# Altium PCB BEE_BOARD_PCB ASCII REV Project_PCB_Rev.Project_SCH_Rev.PcbDoc (part 1 of 3) (continued)
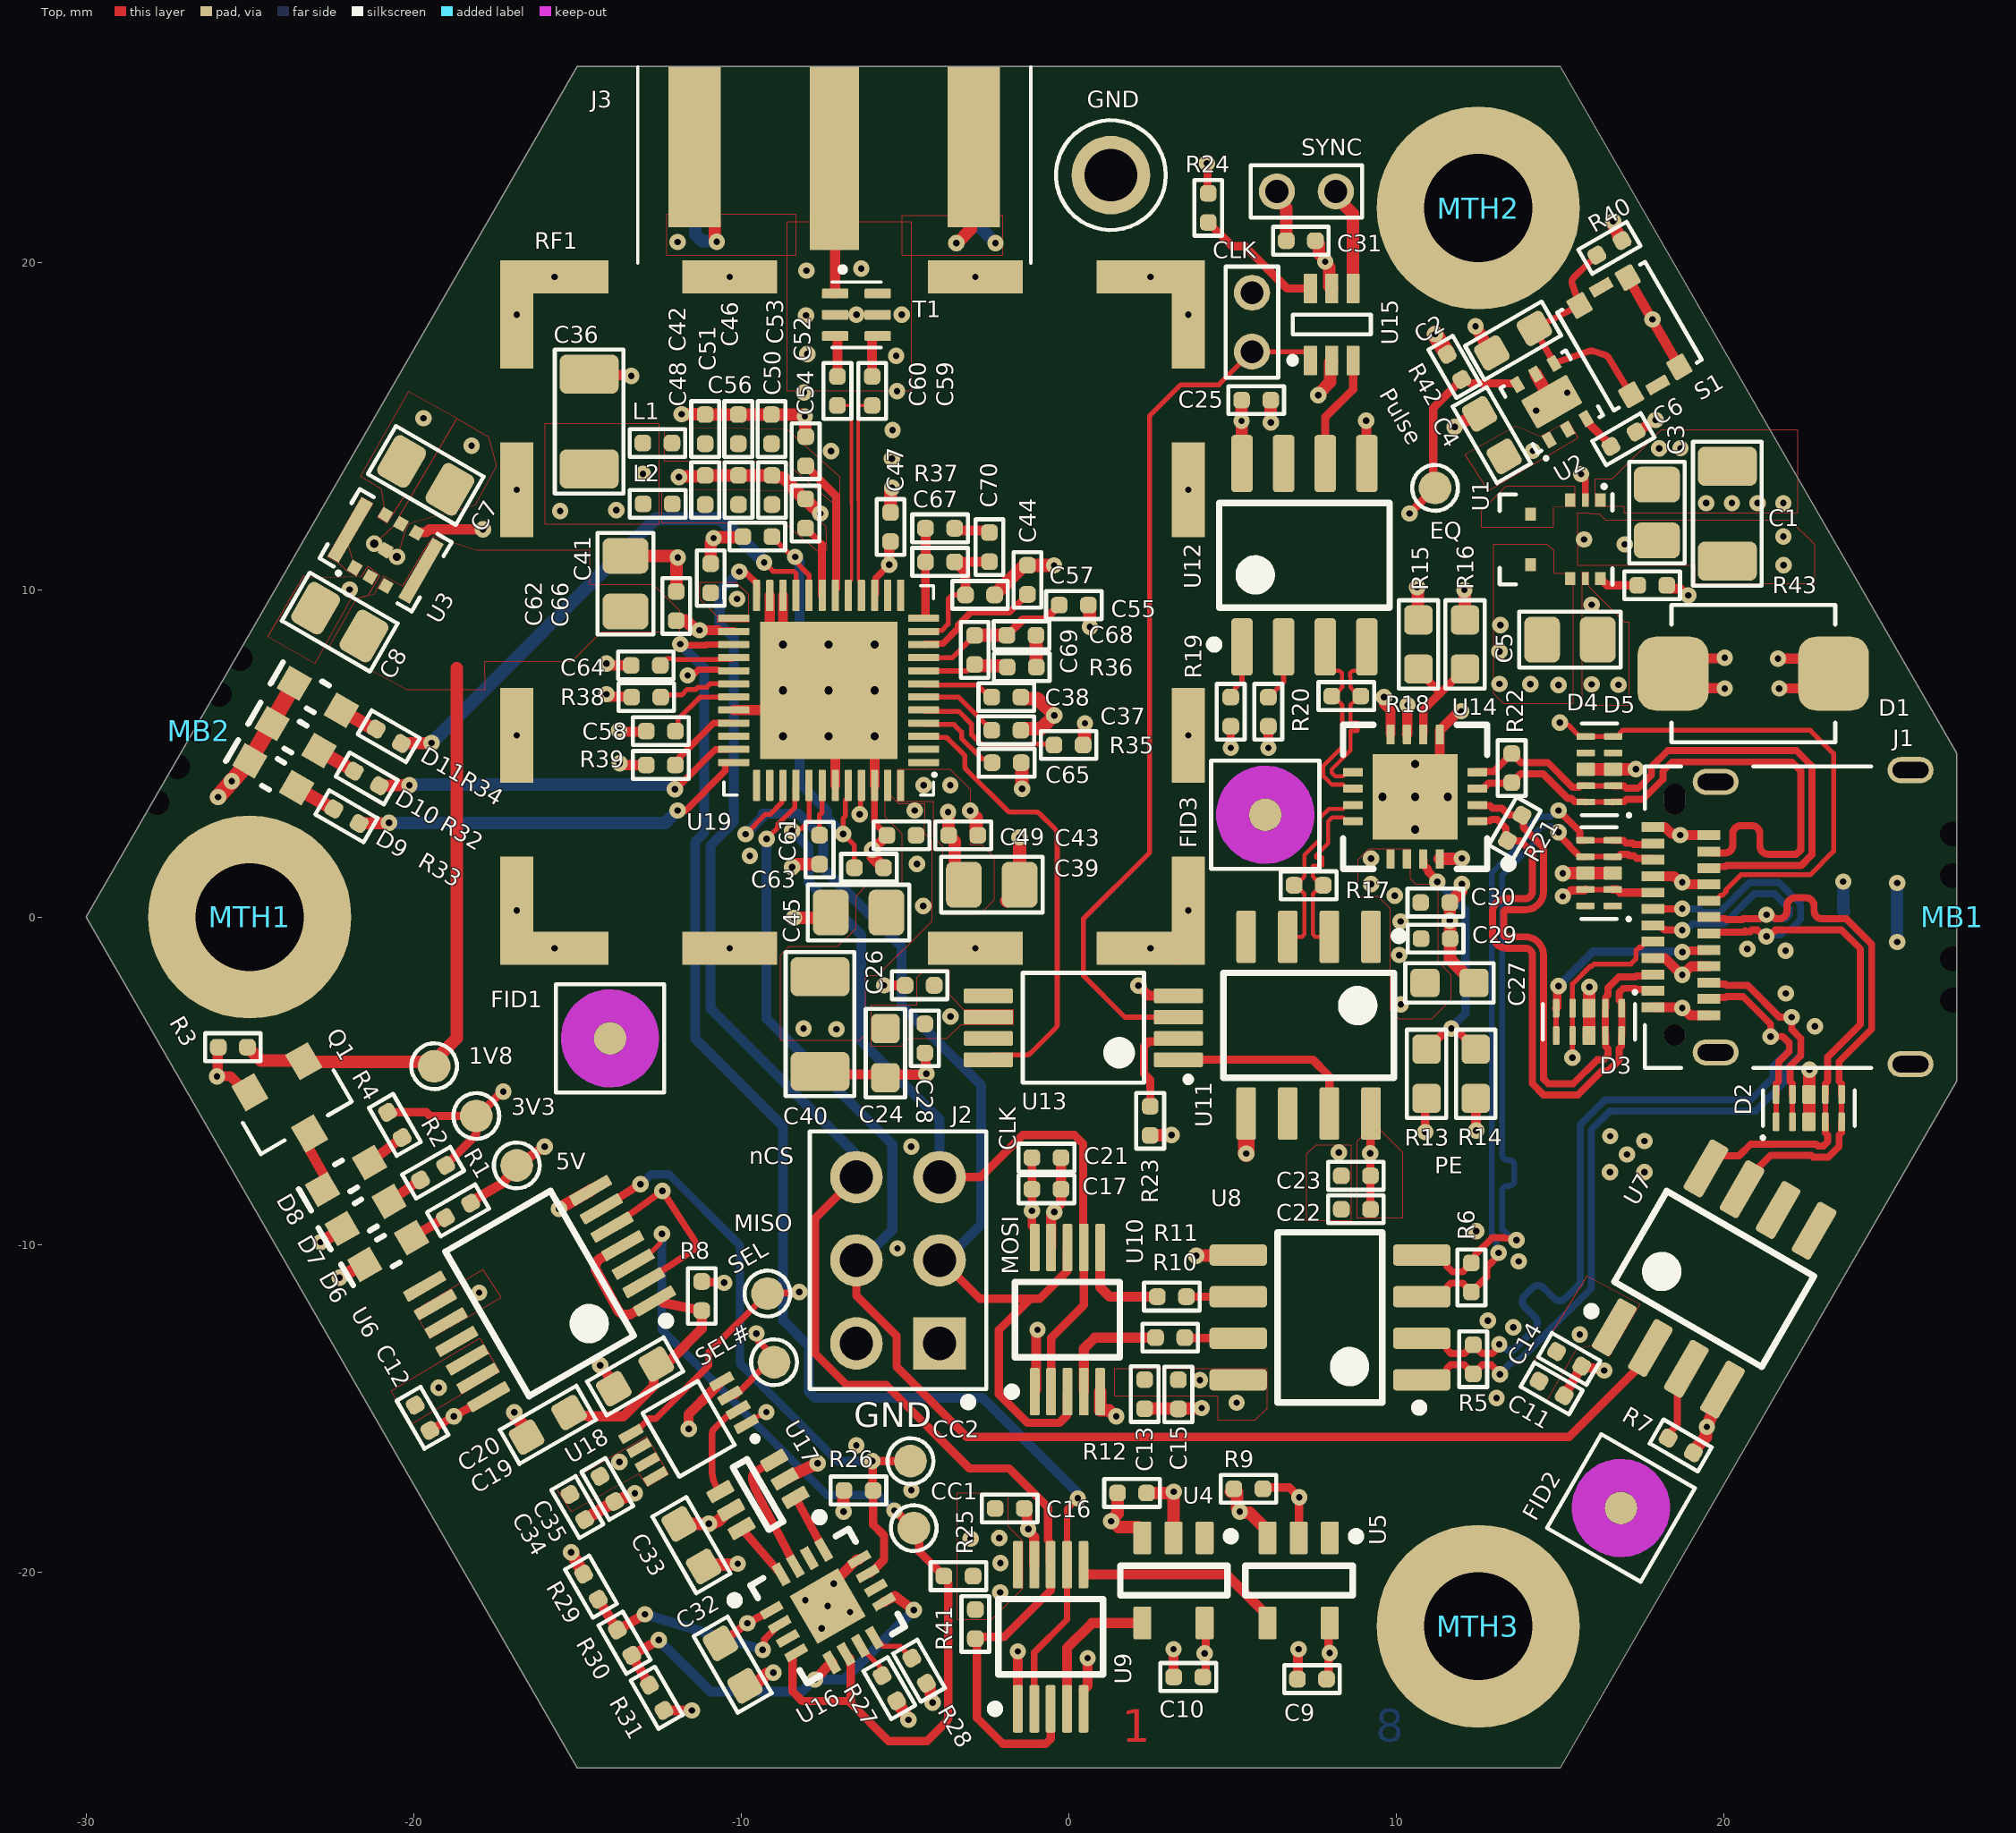
[diagram p0: Top view]
## Design rules (kind name [scope] priority, off if disabled: settings) (continued)
Clearance Clearance_VIA_SAME [IsVia and (NOT InAnyComponent) vs IsVia and (NOT InAnyComponent)] p3: gap=0.132 ignorepadtopadclearanceinfootprint=FALSE
Clearance Clearance_VIA [IsVia AND (InAnyComponent) vs IsVia AND (InAnyComponent)] p4: gap=0.31 ignorepadtopadclearanceinfootprint=FALSE
Clearance Clearance_GEN [All] p5: gap=0.102 ignorepadtopadclearanceinfootprint=FALSE
ComponentClearance "Schematic Component Clearance Constraint_3" [All] p0: scope1count=1 scope1_0_kind=Component scope1_0_value=MB1 scope2count=1 scope2_0_kind=Board scope2_0_value=Board commentlength=0 gap=0 collisioncheckmode=3
ComponentClearance [All] p0: scope1count=1 scope1_0_kind=Board scope1_0_value=Board scope2count=1 scope2_0_kind=Board scope2_0_value=Board commentlength=0 gap=0.102 collisioncheckmode=3
ComponentClearance "Schematic Component Clearance Constraint_3" [InComponent('MB1')] p1: gap=0 collisioncheckmode=3 verticalgap=0 showdistances=FALSE
ComponentClearance [All] p2: gap=0.102 collisioncheckmode=3 verticalgap=0.102 showdistances=FALSE
DiffPairsRouting DIFF_85_OHM [All] p0 off: scope1count=1 scope1_0_kind=Board scope1_0_value=Board scope2count=1 scope2_0_kind=Board scope2_0_value=Board commentlength=73 // Protel DXP Scope 1 Expression Was: InDifferentialPairClass('DIFF_85')
DiffPairsRouting DIFF_90_OHM [All] p0 off: scope1count=1 scope1_0_kind=Board scope1_0_value=Board scope2count=1 scope2_0_kind=Board scope2_0_value=Board commentlength=73 // Protel DXP Scope 1 Expression Was: InDifferentialPairClass('DIFF_90')
DiffPairsRouting DIFF_100_OHM [All] p0 off: scope1count=1 scope1_0_kind=Board scope1_0_value=Board scope2count=1 scope2_0_kind=Board scope2_0_value=Board commentlength=74 // Protel DXP Scope 1 Expression Was: InDifferentialPairClass('DIFF_100')
DiffPairsRouting DIFF_100_OHM [InDifferentialPairClass('DIFF_100')] p1: maxlimit=0.203 minlimit=0.127 mostfreqgap=0.203 toplayer_maxgap=0.127 toplayer_prefgap=0.127 toplayer_minwidth=0.127 toplayer_maxwidth=0.127 toplayer_prefwidth=0.127 midlayer1_mingap=0.203 midlayer1_minwidth=0.102 midlayer1_maxwidth=0.102 midlayer1_prefwidth=0.102 midlayer2_mingap=0.203 midlayer2_minwidth=0.102 midlayer2_maxwidth=0.102 midlayer2_prefwidth=0.102 bottomlayer_maxgap=0.127 bottomlayer_prefgap=0.127 bottomlayer_minwidth=0.127 bottomlayer_maxwidth=0.127 bottomlayer_prefwidth=0.127 maxuncoupledlength=12.7
DiffPairsRouting DIFF_90_OHM [InDifferentialPairClass('DIFF_90')] p2: maxlimit=0.178 minlimit=0.127 mostfreqgap=0.178 toplayer_maxgap=0.127 toplayer_prefgap=0.127 toplayer_minwidth=0.191 toplayer_maxwidth=0.191 toplayer_prefwidth=0.191 midlayer1_mingap=0.178 midlayer1_minwidth=0.127 midlayer1_maxwidth=0.127 midlayer1_prefwidth=0.127 midlayer2_mingap=0.178 midlayer2_minwidth=0.127 midlayer2_maxwidth=0.127 midlayer2_prefwidth=0.127 bottomlayer_maxgap=0.127 bottomlayer_prefgap=0.127 bottomlayer_minwidth=0.191 bottomlayer_maxwidth=0.191 bottomlayer_prefwidth=0.191 maxuncoupledlength=12.7
DiffPairsRouting DIFF_85_OHM [InDifferentialPairClass('DIFF_85')] p3: maxlimit=0.14 minlimit=0.127 mostfreqgap=0.14 toplayer_maxgap=0.127 toplayer_prefgap=0.127 toplayer_minwidth=0.216 toplayer_maxwidth=0.216 toplayer_prefwidth=0.216 midlayer1_mingap=0.14 midlayer1_minwidth=0.127 midlayer1_maxwidth=0.127 midlayer1_prefwidth=0.127 midlayer2_mingap=0.14 midlayer2_minwidth=0.127 midlayer2_maxwidth=0.127 midlayer2_prefwidth=0.127 bottomlayer_maxgap=0.127 bottomlayer_prefgap=0.127 bottomlayer_minwidth=0.216 bottomlayer_maxwidth=0.216 bottomlayer_prefwidth=0.216 maxuncoupledlength=12.7
FabricationTestPointUsage [All] p0: scope1count=1 scope1_0_kind=Board scope1_0_value=Board scope2count=1 scope2_0_kind=Board scope2_0_value=Board commentlength=0 valid=0 allowmultiple=FALSE
FabricationTestpoint [All] p0: scope1count=1 scope1_0_kind=Board scope1_0_value=Board scope2count=1 scope2_0_kind=Board scope2_0_value=Board commentlength=0 side=3 testpointundercomponent=TRUE minsize=1.016 maxsize=2.54 preferedsize=1.524 minholesize=0 maxholesize=1.016 preferedholesize=0.813 testpointgrid=0.025
FanoutControl Fanout_Default [All] p0: scope1count=1 scope1_0_kind=Board scope1_0_value=Board scope2count=1 scope2_0_kind=Board scope2_0_value=Board commentlength=30 // Fanout_Default (Default Rule)
FanoutControl Fanout_Small [All] p0 off: scope1count=1 scope1_0_kind=Board scope1_0_value=Board scope2count=1 scope2_0_kind=Board scope2_0_value=Board commentlength=84 // Protel DXP Scope 1 Expression Was: (CompPinCount < 5)   Fanout_Small (Default Rule)
FanoutControl Fanout_SOIC [All] p0 off: scope1count=1 scope1_0_kind=Board scope1_0_value=Board scope2count=1 scope2_0_kind=Board scope2_0_value=Board commentlength=71 // Protel DXP Scope 1 Expression Was: IsSOIC   Fanout_SOIC (Default Rule)
FanoutControl Fanout_LCC [All] p0 off: scope1count=1 scope1_0_kind=Board scope1_0_value=Board scope2count=1 scope2_0_kind=Board scope2_0_value=Board commentlength=69 // Protel DXP Scope 1 Expression Was: IsLCC   Fanout_LCC (Default Rule)
FanoutControl Fanout_BGA [All] p0 off: scope1count=1 scope1_0_kind=Board scope1_0_value=Board scope2count=1 scope2_0_kind=Board scope2_0_value=Board commentlength=69 // Protel DXP Scope 1 Expression Was: IsBGA   Fanout_BGA (Default Rule)
Height [All] p0: scope1count=1 scope1_0_kind=Board scope1_0_value=Board scope2count=1 scope2_0_kind=Board scope2_0_value=Board commentlength=0
HoleSize [All] p0: scope1count=1 scope1_0_kind=Board scope1_0_value=Board scope2count=1 scope2_0_kind=Board scope2_0_value=Board commentlength=0 absolutevalues=TRUE maxlimit=6.5 minlimit=0.2 maxpercent=80.000 minpercent=20.000
HoleSize [All] p1: absolutevalues=TRUE maxlimit=6.5 minlimit=0.2 maxpercent=80.000 minpercent=20.000
HoleToHoleClearance HoleToHoleClearance_Via [All] p0: scope1count=1 scope1_0_kind=Board scope1_0_value=Board scope2count=1 scope2_0_kind=Board scope2_0_value=Board commentlength=0
HoleToHoleClearance HoleToHoleClearance_Via [All] p1: gap=0.203 allowstackedmicrovias=TRUE
LayerPairs [All] p0: scope1count=1 scope1_0_kind=Board scope1_0_value=Board scope2count=1 scope2_0_kind=Board scope2_0_value=Board commentlength=0 enforce=TRUE
MatchedLengths [All] p0: scope1count=1 scope1_0_kind=NetClass scope1_0_value=TX scope2count=1 scope2_0_kind=Board scope2_0_value=Board commentlength=0 tolerance=0.025 amplitude=5.08 gap=0.508 style=90-Degree
MatchedLengths DiffMatching_WithinPair [All] p0 off: scope1count=1 scope1_0_kind=Board scope1_0_value=Board scope2count=1 scope2_0_kind=Board scope2_0_value=Board commentlength=88 tolerance=0.025 amplitude=5.08 gap=0.508 style=90-Degree // Protel DXP Scope 1 Expression Was: InDifferentialPairClass('All Differential Pairs')
MatchedLengths [InNetClass('TX')] p1: tolerance=0.025 checknetsindiffpair=FALSE checkdiffpairvsdiffpair=TRUE checkxsignals=TRUE checkothers=TRUE
MatchedLengths DiffMatching_WithinPair [InDifferentialPairClass('All Differential Pairs')] p2: tolerance=0.025 checknetsindiffpair=TRUE checkdiffpairvsdiffpair=FALSE checkxsignals=FALSE checkothers=FALSE
MinimumAnnularRing [All] p0: scope1count=1 scope1_0_kind=Board scope1_0_value=Board scope2count=1 scope2_0_kind=Board scope2_0_value=Board commentlength=0 minimumring=0.1
MinimumAnnularRing [All] p1: minimumring=0.1
MinimumSolderMaskSliver [All] p0: scope1count=1 scope1_0_kind=Board scope1_0_value=Board scope2count=1 scope2_0_kind=Board scope2_0_value=Board commentlength=0
MinimumSolderMaskSliver [All] p1: minsoldermaskwidth=0.1
NetAntennae [All] p0: scope1count=1 scope1_0_kind=Board scope1_0_value=Board scope2count=1 scope2_0_kind=Board scope2_0_value=Board commentlength=0
PasteMaskExpansion [All] p0: scope1count=1 scope1_0_kind=Board scope1_0_value=Board scope2count=1 scope2_0_kind=Board scope2_0_value=Board commentlength=0 expansion=-0.025
PasteMaskExpansion [All] p1: expansion=-0.025
PlaneClearance "Schematic Power Plane Clearance_3" [All] p0: scope1count=1 scope1_0_kind=Component scope1_0_value=MB1 scope2count=1 scope2_0_kind=Board scope2_0_value=Board commentlength=0 clearance=0.508
PlaneClearance [All] p0: scope1count=1 scope1_0_kind=Board scope1_0_value=Board scope2count=1 scope2_0_kind=Board scope2_0_value=Board commentlength=0 clearance=0.152
PlaneClearance "Schematic Power Plane Clearance_3" [InComponent('MB1')] p1: clearance=0.508
PlaneClearance [All] p2: clearance=0.152
PlaneConnect [All] p0: scope1count=1 scope1_0_kind=Board scope1_0_value=Board scope2count=1 scope2_0_kind=Board scope2_0_value=Board commentlength=0 planeconnectstyle=Relief reliefexpansion=0.508 reliefentries=4 reliefconductorwidth=0.254 reliefairgap=0.254
PlaneConnect [All] p1: pad.planeconnectstyle=Relief pad.reliefexpansion=0.508 pad.reliefentries=4 pad.reliefconductorwidth=0.254 pad.reliefairgap=0.254 via.planeconnectstyle=Direct via.reliefexpansion=0.508 via.reliefentries=4 via.reliefconductorwidth=0.254 via.reliefairgap=0.254
PolygonConnect [All] p0: scope1count=1 scope1_0_kind=Board scope1_0_value=Board scope2count=1 scope2_0_kind=Board scope2_0_value=Board commentlength=0 connectstyle=Relief reliefconductorwidth=0.254 reliefentries=4 polygonreliefangle="90 Angle"
PolygonConnect [All] p1: thpad.connectstyle=Relief thpad.reliefconductorwidth=0.254 thpad.reliefentries=4 thpad.polygonreliefangle="90 Angle" thpad.airgapwidth=0.254 smdpad.connectstyle=Direct smdpad.reliefconductorwidth=0.254 smdpad.reliefentries=4 smdpad.polygonreliefangle="90 Angle" smdpad.airgapwidth=0.254 via.connectstyle=Direct via.reliefconductorwidth=0.254 via.reliefentries=4 via.polygonreliefangle="90 Angle" via.airgapwidth=0.254
RoutingCorners [All] p0: scope1count=1 scope1_0_kind=Board scope1_0_value=Board scope2count=1 scope2_0_kind=Board scope2_0_value=Board commentlength=0 cornerstyle=45-Degree minsetback=2.54 maxsetback=2.54
RoutingLayers [All] p0: scope1count=1 scope1_0_kind=Board scope1_0_value=Board scope2count=1 scope2_0_kind=Board scope2_0_value=Board commentlength=0 top layer=Automatic mid layer 1=Automatic mid layer 2=Automatic bottom layer=Automatic
RoutingPriority [All] p0: scope1count=1 scope1_0_kind=Board scope1_0_value=Board scope2count=1 scope2_0_kind=Board scope2_0_value=Board commentlength=0
RoutingTopology [All] p0: scope1count=1 scope1_0_kind=Board scope1_0_value=Board scope2count=1 scope2_0_kind=Board scope2_0_value=Board commentlength=0 topology=Shortest
RoutingVias [All] p0: scope1count=1 scope1_0_kind=Board scope1_0_value=Board scope2count=1 scope2_0_kind=Board scope2_0_value=Board commentlength=0 holewidth=0.25 width=0.55 viastyle="Through Hole" minholewidth=0.2 minwidth=0.5 maxholewidth=6.5 maxwidth=7.5
RoutingVias [All] p1: holewidth=0.25 width=0.55 viastyle="Through Hole" minholewidth=0.2 minwidth=0.5 maxholewidth=6.5 maxwidth=7.5
ShortCircuit [All] p0: scope1count=1 scope1_0_kind=Board scope1_0_value=Board scope2count=1 scope2_0_kind=Board scope2_0_value=Board commentlength=0 allowed=FALSE
SilkToBoardRegionClearance [All] p0: scope1count=1 scope1_0_kind=Board scope1_0_value=Board scope2count=1 scope2_0_kind=Board scope2_0_value=Board commentlength=0
SilkToSilkClearance [All] p0: scope1count=1 scope1_0_kind=Board scope1_0_value=Board scope2count=1 scope2_0_kind=Board scope2_0_value=Board commentlength=0
SilkToSilkClearance [All] p1: silktosilkclearance=0.025
SilkToSolderMaskClearance [All] p0 off: scope1count=1 scope1_0_kind=Board scope1_0_value=Board scope2count=1 scope2_0_kind=Board scope2_0_value=Board commentlength=44 // Protel DXP Scope 1 Expression Was: IsPad
SilkToSolderMaskClearance [IsPad] p1: minsilkscreentomaskgap=0.025 clearancetoexposedcopper=FALSE
SolderMaskExpansion [All] p0: scope1count=1 scope1_0_kind=Board scope1_0_value=Board scope2count=1 scope2_0_kind=Board scope2_0_value=Board commentlength=0 expansion=0.07
SolderMaskExpansion [All] p1: expansion=0.07 istentingtop=FALSE
UnRoutedNet [All] p0: scope1count=1 scope1_0_kind=Board scope1_0_value=Board scope2count=1 scope2_0_kind=Board scope2_0_value=Board commentlength=0
UnRoutedNet [All] p1: checkbadconnections=TRUE
UnpouredPolygon [All] p0: scope1count=1 scope1_0_kind=Board scope1_0_value=Board scope2count=1 scope2_0_kind=Board scope2_0_value=Board commentlength=0
Width [All] p0: scope1count=1 scope1_0_kind=Board scope1_0_value=Board scope2count=1 scope2_0_kind=Board scope2_0_value=Board commentlength=0 maxlimit=2.54 minlimit=0.102 preferedwidth=0.305
Width Width_50_OHM [All] p0: scope1count=1 scope1_0_kind=NetClass scope1_0_value=SE_50OHM scope2count=1 scope2_0_kind=Board scope2_0_value=Board commentlength=0 maxlimit=0.305 minlimit=0.152 preferedwidth=0.305
Width Width_50_OHM [InNetClass('SE_50OHM')] p1: maxlimit=0.305 minlimit=0.152 preferedwidth=0.305 toplayer_minwidth=0.305 midlayer1_maxwidth=0.152 midlayer1_prefwidth=0.152 midlayer2_maxwidth=0.152 midlayer2_prefwidth=0.152 bottomlayer_minwidth=0.305 minimp=50.000000 maximp=50.000000 favimp=50.000000
Width [All] p2: maxlimit=2.54 minlimit=0.102 preferedwidth=0.305 minimp=50.000000 maximp=50.000000 favimp=50.000000
19 further rules are at their usual default settings.

## Classes and differential pairs
net class TX: TX1_N TX1_P TX2_N TX2_P
net class SE_50OHM: NetC59_1 NetC60_1 NetJ3_1 NetR10_1 NetR11_1
component class "Polarity Check": C32 C33 C34 C35 CC1 CC2 Pulse R25 R26 R27 R28 R29 R30 R31 SEL SEL# U16 U17 U18
component class TOP: D1 D2 D3 D4 D5 GND J1 J2 RS
component class POWER: 1V8 3V3 5V C1 C2 C3 C4 C5 C6 C7 C8 D6 D7 D8 Q1 R1 R2 R3 R4 R40 R42 R43 S1 U1 U2 U3
component class RECEIVE: C9 C10 C11 C12 C13 C14 C15 C16 C17 C19 C20 C21 C22 C23 C24 C25 C26 C27 C28 C29 C30 C31 CLK R5 R6 R7 R8 R9 R10 R11 R12 R13 R14 R15 R16 R17 R18 R19 R20 R21 R22 R23 R24 R41 SYNC U4 U5 U6 U7 U8 U9 U10 U11 U12 U13 U14 U15
component class DECAWAVE: C36 C37 C38 C39 C40 C41 C42 C43 C44 C45 C46 C47 C48 C49 C50 C51 C52 C53 C54 C55 C56 C57 C58 C59 C60 C61 C62 C63 C64 C65 C66 C67 C68 C69 C70 D9 D10 D11 J3 L1 L2 R32 R33 R34 R35 R36 R37 R38 R39 RF1 T1 U19
component class BEE_BOARD_TITLE: FID1 FID2 FID3 MB1 MTH1 MTH2 MTH3
differential pair TX2: +TX2_P -TX2_N
differential pair TX1: +TX1_P -TX1_N
differential pair RX2: +RX2_P -RX2_N
differential pair RX1: +RX1_P -RX1_N
differential pair D: +D_P -D_N
differential pair SYNC_BB_LVDS: +SYNC_BB_LVDS_P -SYNC_BB_LVDS_N
differential pair RF: +RF_P -RF_N
differential pair " ": +CLK_BB_LVDS_P -CLK_BB_LVDS_N

## Components (designator, comment, footprint, x,y, rotation, side; value= is the part's Value field where it differs from the comment)
1V8 "1 MM" TPO_SMD_ROUND_1MM -19.371,-4.553 r300 top
3V3 "1 MM" TPO_SMD_ROUND_1MM -18.084,-6.072 r300 top
5V "1 MM" TPO_SMD_ROUND_1MM -16.85,-7.58 r120 top
C1 "CL31A226KAHNNNE" CAP_CER_1206 20.106,12.319 r90 top
C2 "C0603C105K8PACTU" CAP_CER_0603 13.567,17.603 r210 top
C3 "C2012X7R1E475K125AE" CAP_CER_0805 17.958,12.356 r90 top
C4 "C0603C105K8PACTU" CAP_CER_0603 12.918,14.719 r120 top
C5 "GRM21BR61C106KE15K" CAP_CER_0805 15.3,8.475 r180 top
C6 "CGA2B3X7R1E104K050BB" CAP_CER_0402 16.935,14.594 r210 top
C7 "C2012X7R1E475K125AE" CAP_CER_0805 -19.625,13.488 r150 top
C8 "GRM21BR61C106KE15K" CAP_CER_0805 -22.252,9.008 r330 top
C9 "CGA2B3X7R1E104K050BB" CAP_CER_0402 7.427,-23.268 r0 top
C10 "CGA2B3X7R1E104K050BB" CAP_CER_0402 3.65,-23.202 r0 top
C11 "CL05B103KA5NNNC" CAP_CER_0402 14.743,-14.391 r150 top
C12 "CGA2B3X7R1E104K050BB" CAP_CER_0402 -19.725,-15.288 r120 top
C13 "CL05B103KA5NNNC" CAP_CER_0402 2.317,-14.565 r90 top
C14 "JMK105B7474KVHF" CAP_CER_0402 15.277,-13.487 r150 top
C15 "JMK105B7474KVHF" CAP_CER_0402 3.348,-14.573 r90 top
C16 "CGA2B3X7R1E104K050BB" CAP_CER_0402 -1.803,-18.055 r180 top
C17 "CL05B103KA5NNNC" CAP_CER_0402 -0.678,-8.309 r180 top
C19 "C0603C105K8PACTU" CAP_CER_0603 -15.9,-15.503 r210 top
C20 "C0603C105K8PACTU" CAP_CER_0603 -13.239,-14.025 r210 top
C21 "JMK105B7474KVHF" CAP_CER_0402 -0.678,-7.346 r180 top
C22 "CGA2B3X7R1E104K050BB" CAP_CER_0402 8.767,-8.923 r0 top
C23 "CC0402KRX7R9BB102" CAP_CER_0402 8.767,-7.899 r0 top
C24 "C0603C105K8PACTU" CAP_CER_0603 -5.595,-4.151 r270 top
C25 "CGA2B3X7R1E104K050BB" CAP_CER_0402 5.724,15.789 r180 top
C26 "CGA2B3X7R1E104K050BB" CAP_CER_0402 -4.551,-2.083 r0 top
C27 "C0603C105K8PACTU" CAP_CER_0603 11.625,-2.011 r0 top
C28 "CC0402KRX7R9BB102" CAP_CER_0402 -4.392,-3.703 r90 top
C29 "CGA2B3X7R1E104K050BB" CAP_CER_0402 11.2,-0.66 r180 top
C30 "CC0402KRX7R9BB102" CAP_CER_0402 11.192,0.444 r180 top
C31 "CGA2B3X7R1E104K050BB" CAP_CER_0402 7.086,20.656 r180 top
C32 "C0603C105K8PACTU" CAP_CER_0603 -10.258,-22.824 r300 top
C33 "C0603C105K8PACTU" CAP_CER_0603 -11.521,-19.178 r300 top
C34 "CGA2B3X7R1E104K050BB" CAP_CER_0402 -15,-18.013 r120 top
C35 "CGA2B3X7R1E104K050BB" CAP_CER_0402 -14.084,-17.46 r120 top
C36 "CL31A226KAHNNNE" CAP_CER_1206 -14.638,15.134 r270 top
C37 "CGA2B3X7R1E104K050BB" CAP_CER_0402 -1.904,5.705 r180 top
C38 "CGA2B3X7R1E104K050BB" CAP_CER_0402 -1.904,6.721 r180 top
C39 "C2012X7R1E475K125AE" CAP_CER_0805 -2.348,0.991 r180 top
C40 "CL31A226KAHNNNE" CAP_CER_1206 -7.591,-3.265 r90 top
C41 "CGA2B3X7R1E104K050BB" CAP_CER_0402 -10.928,10.35 r270 top
C42 "CGA2B3X7R1E104K050BB" CAP_CER_0402 -11.097,14.902 r270 top
C43 "CGA2B3X7R1E104K050BB" CAP_CER_0402 -3.22,2.497 r180 top
C44 "CGA2B3X7R1E104K050BB" CAP_CER_0402 -1.26,10.298 r270 top
C45 "C2012X7R1E475K125AE" CAP_CER_0805 -6.413,0.14 r0 top
C46 "CL05B103KA5NNNC" CAP_CER_0402 -10.085,14.902 r270 top
C47 "CGA2B3X7R1E104K050BB" CAP_CER_0402 -5.437,11.911 r270 top
C48 "CGA2B3X7R1E104K050BB" CAP_CER_0402 -11.097,13.043 r270 top
C49 "CGA2B3X7R1E104K050BB" CAP_CER_0402 -5.103,2.497 r0 top
C50 "CC0402KRX7R9BB102" CAP_CER_0402 -9.074,14.902 r270 top
C51 "CL05B103KA5NNNC" CAP_CER_0402 -10.078,13.043 r270 top
C52 "CC0402JRNPO9BN120" CAP_CER_0402 -8.027,14.227 r270 top
C53 "CC0402KRX7R9BB102" CAP_CER_0402 -9.059,13.043 r270 top
C54 "CC0402JRNPO9BN120" CAP_CER_0402 -8.031,12.324 r270 top
C55 "CGA2B3X7R1E104K050BB" CAP_CER_0402 0.157,9.528 r180 top
C56 "CGA2B3X7R1E104K050BB" CAP_CER_0402 -9.503,11.62 r0 top
C57 "CGA2B3X7R1E104K050BB" CAP_CER_0402 -2.707,9.84 r180 top
C58 "CGA2B3X7R1E104K050BB" CAP_CER_0402 -12.452,5.68 r0 top
C59 "CC0402JRNPO9BN120" CAP_CER_0402 -6.001,16.068 r270 top
C60 "CC0402JRNPO9BN120" CAP_CER_0402 -7.059,16.068 r270 top
C61 "CGA2B3X7R1E104K050BB" CAP_CER_0402 -7.606,2.061 r90 top
C62 "C2012X7R1E475K125AE" CAP_CER_0805 -13.532,10.182 r270 top
C63 "CGA2B3X7R1E104K050BB" CAP_CER_0402 -6.096,1.508 r180 top
C64 "CGA2B3X7R1E104K050BB" CAP_CER_0402 -12.911,7.688 r180 top
C65 "CC0402JRNPO9BN101" CAP_CER_0402 -1.895,4.717 r180 top
C66 "CGA2B3X7R1E104K050BB" CAP_CER_0402 -11.98,9.5 r270 top
C67 "GRM1555C1H180GA01D" CAP_CER_0402 -3.926,10.849 r180 top
C68 "CC0402JRNPO9BN270" CAP_CER_0402 -1.441,8.608 r0 top
C69 "C0402C129C5GACTU" CAP_CER_0402 -2.871,8.159 r90 top
C70 "CC0402KRX7R9BB821" CAP_CER_0402 -2.421,11.299 r90 top
CC1 "1 MM" TPO_SMD_ROUND_1MM -4.729,-18.656 r0 top
CC2 "1 MM" TPO_SMD_ROUND_1MM -4.831,-16.61 r90 top
CLK "TH ROUND 0.7mm DOUBLE" TPO_TH_ROUND_0.7mm_DOUBLE 5.595,18.166 r270 top
D1 "SMBJ5.0A" TVS_PWR_SMBJ5.0CA 20.9,7.436 r0 top
D2 "DT1140-04LP-7" TVS_DATA_DT1140-04LP-7 22.595,-5.833 r90 top
D3 "DT1140-04LP-7" TVS_DATA_DT1140-04LP-7 15.881,-3.198 r270 top
D4 "DT1140-04LP-7" TVS_DATA_DT1140-04LP-7 16.191,1.344 r180 top
D5 "DT1140-04LP-7" TVS_DATA_DT1140-04LP-7 16.2,4.514 r180 top
D6 "SML-D12P8WT86" LED_SML-D12P8WT86 -20.773,-10.196 r30 top
D7 "SML-D12P8WT86" LED_SML-D12P8WT86 -21.461,-9.097 r30 top
D8 "SML-D12P8WT86" LED_SML-D12P8WT86 -22.06,-7.905 r30 top
D9 "SML-D12P8WT86" LED_SML-D12P8WT86 -24.285,4.362 r330 top
D10 "SML-D12P8WT86" LED_SML-D12P8WT86 -23.603,5.499 r330 top
D11 "SML-D12P8WT86" LED_SML-D12P8WT86 -22.92,6.729 r330 top
FID1 "FID 1MM" FID_CIRCLE_1MM -14,-3.7 r0 top
FID2 "FID 1MM" FID_CIRCLE_1MM 16.857,-18.042 r60 top
FID3 "FID 1MM" FID_CIRCLE_1MM 6,3.125 r0 top
GND "5011" TPO_5011 1.289,22.658 r0 top
J1 "12401598E4#2A" CON_USB_3.2_TypeC_12401598E4#2A 18.5,0 r90 top
J2 "10129381-906002BLF" CON_HDR_10129381-906002BLF -5.212,-10.478 r180 top
J3 "CONSMA020.062-G" CON_SMA_CONSMA020.062-G -7.156,23.168 r180 top
L1 "BLM15AG601SN1D" FER_0402 -12.555,14.477 r0 top
L2 "BLM15AG601SN1D" FER_0402 -12.547,12.618 r0 top
MB1 "MOUSE BITES" PNL_MOUSEBITES_100MIL_5-HOLES 28.375,0 r90 top
MB2 "MOUSE BITES" PNL_MOUSEBITES_100MIL_5-HOLES -27.77,6.399 r240 top (schematic designator MB1)
MTH1 "M3" MTH_M3#1 -25,0 r0 top locked
MTH2 "M3" MTH_M3#2 12.5,21.65 r0 top locked
MTH3 "M3" MTH_M3#1 12.5,-21.65 r0 top locked
Pulse "1 MM" TPO_SMD_ROUND_1MM 11.184,13.106 r90 top
Q1 "BSS138LT1G" TRX_NMOS_BSS138LT1G -23.675,-5.74 r300 top
R1 "ERJ-2RKF4020X" RES_0402 -18.643,-8.955 r30 top
R2 "ERJ-2RKF4750X" RES_0402 -19.404,-7.802 r30 top
R3 "RC0402FR-0710KL" RES_0402 -25.516,-3.971 r180 top
R4 "ERJ-2RKF4750X" RES_0402 -20.57,-6.344 r300 top
R5 "RC0402FR-0784R5L" RES_0402 12.35,-13.5 r270 top
R6 "RC0402FR-0784R5L" RES_0402 12.295,-11.003 r270 top
R7 "RC0402FR-071KL" RES_0402 18.683,-16.132 r150 top
R8 "RC0402FR-07100KL" RES_0402 -11.203,-11.569 r90 top
R9 "RC0402FR-0710KL" RES_0402 5.487,-17.457 r180 top
R10 "RC0402FR-0733RL" RES_0402 3.098,-12.841 r0 top
R11 "RC0402FR-0733RL" RES_0402 3.149,-11.589 r0 top
R12 "RC0402FR-0710KL" RES_0402 1.934,-17.584 r180 top
R13 "RC0603JR-070RL" RES_0603 10.925,-4.785 r270 top
R14 "RC0603JR-070RL" RES_0603 12.425,-4.785 r90 top
R15 "RC0603JR-070RL" RES_0603 10.675,8.325 r90 top
R16 "RC0603JR-070RL" RES_0603 12.1,8.325 r270 top
R17 "RC0402FR-07100RP" RES_0402 7.325,0.975 r0 top
R18 "RC0402FR-07100RP" RES_0402 8.475,6.75 r180 top
R19 "RC0402FR-071KL" RES_0402 4.948,6.271 r270 top
R20 "RC0402FR-071KL" RES_0402 6.095,6.271 r270 top
R21 "RMCF0402FT562R" RES_0402 13.616,2.725 r240 top
R22 "RMCF0402FT562R" RES_0402 13.525,4.55 r270 top
R23 "RC0402FR-0710KL" RES_0402 2.488,-6.219 r270 top
R24 "RC0402FR-0710KL" RES_0402 4.261,21.658 r90 top
R25 "RC0402FR-07100KL" RES_0402 -3.364,-20.124 r0 top
R26 "RC0402FR-07100KL" RES_0402 -6.417,-17.506 r0 top
R27 "RC0402FR-07100KL" RES_0402 -5.476,-23.546 r300 top
R28 "RC0402FR-07100KL" RES_0402 -4.569,-23.01 r300 top
R29 "RC0402FR-07100KL" RES_0402 -14.585,-20.444 r120 top
R30 "RMCF0402FT200K" RES_0402 -13.559,-22.154 r120 top
R31 "RC0402FR-07100KL" RES_0402 -12.577,-23.837 r120 top
R32 "ERJ-2RKF4750X" RES_0402 -21.428,4.235 r330 top
R33 "ERJ-2RKF4750X" RES_0402 -22.047,3.081 r330 top
R34 "ERJ-2RKF4750X" RES_0402 -20.756,5.523 r330 top
R35 "RC0402FR-0711KL" RES_0402 -0.004,5.255 r180 top
R36 "RC0402FR-0716KL" RES_0402 -1.433,7.634 r0 top
R37 "RC0402FR-07270RL" FER_0402 -3.926,11.874 r180 top
R38 "RC0402FR-0710KL" RES_0402 -12.897,6.717 r0 top
R39 "RC0402FR-0710KL" RES_0402 -12.452,4.647 r0 top
R40 "RC0402FR-07100KL" RES_0402 16.508,20.436 r30 top
R41 "RC0402FR-0710KL" RES_0402 -2.85,-21.586 r90 top
R42 "RC0402FR-07100KL" RES_0402 11.775,16.801 r120 top
R43 "RC0402FR-07100KL" RES_0402 17.813,10.133 r0 top
RF1 "36103205S" RF_SH_BASE_36103205S -6.6,9.3 r0 top locked
RS "RC0603JR-070RL" RES_0603 24.393,0.139 r0 bottom
S1 "435171014816" SWI_TACT_435171014816 17.119,17.74 r300 top
SEL "1 MM" TPO_SMD_ROUND_1MM -9.195,-11.494 r90 top
SEL# "1 MM" TPO_SMD_ROUND_1MM -8.995,-13.591 r90 top
SYNC "TH ROUND 0.7mm DOUBLE" TPO_TH_ROUND_0.7mm_DOUBLE 7.254,22.158 r0 top
T1 "HHM1595A1" XFR_HHM1595A1 -6.481,18.393 r270 top
U1 "XCL214B333DR" REG_SWR_XCL214B333DR 14.87,11.534 r90 top
U2 "TPS3808G33DRVR" POW_TPS3808G33DRVR 14.745,15.741 r120 top
U3 "MYRGP180100W21RA" REG_SWR_MYRGP180100W21RA -20.852,11.203 r150 top
U4 "74AHC1G07GV,125" "LOG_BUF_ 74AHC1G07GV,125" 3.199,-20.254 r270 top
U5 "74AHC1G07GV,125" "LOG_BUF_ 74AHC1G07GV,125" 7.021,-20.254 r270 top
U6 "74LVC126APW,118" LOG_BUF_74LVC126APW,118 -16.15,-11.494 r210 top
U7 "FIN1027AMX" COM_XCV_FIN1027AMCOM 19.705,-11.049 r60 top
U8 "FIN1028MX" COM_XCV_FIN1028MX 7.975,-12.224 r180 top
U9 "TMUX154EDGSR" LOG_MUX_TMUX154EDGSR -0.55,-21.975 r90 top
U10 "TMUX154EDGSR" LOG_MUX_TMUX154EDGSR -0.038,-12.291 r90 top
U11 "PI6C49CB01Q3WEX" TIM_BUF_PI6C49CB01Q3WEX 7.323,-3.3 r270 top
U12 "FIN1028MX" COM_XCV_FIN1028MX 7.195,11.05 r90 top
U13 "LMK1C1102PWR" COM_BUF_LMK1C1102PWR 0.448,-3.378 r180 top
U14 "DS25CP102TSQ/NOPB" TIM_MUX_DS25CP102TSQ/NOPB 10.575,3.675 r180 top
U15 "SN74LVC1G175DCKT" LOG_FLIPFLOP_SN74LVC1G175DCKT 8.03,18.097 r90 top
U16 "LM339LVRTER" CMP_LM339LVRTER -7.355,-21.037 r30 top
U17 "74LVC1G386GW,125" LOG_XOR_74LVC1G386GW,125 -9.487,-17.63 r210 top
U18 "74LVC1G74DC,125" LOG_FLIPFLOP_74LVC1G74DC,125 -11.602,-15.627 r210 top
U19 "DW1000-I-TR13" COM_XCV_DW1000-I-TR13 -7.326,6.924 r180 top

## Footprints (in the part's own frame and the unit in brackets; to place one, negate y for a bottom-side part, rotate by r counter-clockwise, add the part's x,y. Pads: shape width x height; smd on the part's side, far side on the other; paste and mask are expansions set on the pad)
CAP_CER_0402 [mil] "Ceramic Capacitor - 0402"
  rrect60% 20x20 smd paste+0 mask+0: 1(-17.5,0) 2(17.5,0)
  silkscreen extent -33,-17 33,17
CAP_CER_0603 [mil] "Ceramic Capacitor - 0603"
  rrect35% 35x34 smd paste+0 mask+0: 1(-29.5,0) 2(29.5,0)
  silkscreen extent -53,-24 53,24
CAP_CER_0805 [mil] "Ceramic Capacitor - 0805"
  rrect37% 43x55 smd paste+0 mask+0: 1(-33.5,0) 2(33.5,0)
  silkscreen extent -61,-33 61,33
CAP_CER_1206 [mil] "Ceramic Capacitor - 1206"
  rrect34% 47x71 smd paste+0 mask+0: 1(-57,0) 2(57,0)
  silkscreen extent -87,-41 87,41
CMP_LM339LVRTER [mm] "WQFN-16"
  rrect10% 0.7x0.28 smd paste-0.025 mask+0: 1(-1.55,0.75) 2(-1.55,0.25) 3(-1.55,-0.25) 4(-1.55,-0.75) 9(1.55,-0.75) 10(1.55,-0.25) 11(1.55,0.25) 12(1.55,0.75)
  rrect10% 0.28x0.7 smd paste-0.025 mask+0: 5(-0.75,-1.55) 6(-0.25,-1.55) 7(0.25,-1.55) 8(0.75,-1.55) 13(0.75,1.55) 14(0.25,1.55) 15(-0.25,1.55) 16(-0.75,1.55)
  rect 1.7x1.7 smd paste-1.7 mask+0: 17(0,0)
  silkscreen extent -2.5,-1.73 1.73,1.73
COM_BUF_LMK1C1102PWR [mm] "TSOP, 8-Leads, Body 3,00x4,40mm, Pitch 0,65mm, IPC Medium Density"
  rrect20% 1.5x0.45 smd paste-0.05 mask+0: 1(-2.9,0.975) 2(-2.9,0.325) 3(-2.9,-0.325) 4(-2.9,-0.975) 5(2.9,-0.975) 6(2.9,-0.325) 7(2.9,0.325) 8(2.9,0.975)
  silkscreen extent -3.25,-1.68 1.85,1.68
COM_XCV_DW1000-I-TR13 [mm] "QFN 48 package, 0.5mm pitch"
  rrect20% 0.95x0.22 smd paste-0.025 mask+0: 1(-2.9,2.2) 2(-2.9,1.8) 3(-2.9,1.4) 4(-2.9,1) 5(-2.9,0.6) 6(-2.9,0.2) 7(-2.9,-0.2) 8(-2.9,-0.6) 9(-2.9,-1) 10(-2.9,-1.4) 11(-2.9,-1.8) 12(-2.9,-2.2) 25(2.9,-2.2) 26(2.9,-1.8) 27(2.9,-1.4) 28(2.9,-1) 29(2.9,-0.6) 30(2.9,-0.2) 31(2.9,0.2) 32(2.9,0.6) 33(2.9,1) 34(2.9,1.4) 35(2.9,1.8) 36(2.9,2.2)
  rrect20% 0.22x0.95 smd paste-0.025 mask+0: 13(-2.2,-2.9) 14(-1.8,-2.9) 15(-1.4,-2.9) 16(-1,-2.9) 17(-0.6,-2.9) 18(-0.2,-2.9) 19(0.2,-2.9) 20(0.6,-2.9) 21(1,-2.9) 22(1.4,-2.9) 23(1.8,-2.9) 24(2.2,-2.9) 37(2.2,2.9) 38(1.8,2.9) 39(1.4,2.9) 40(1,2.9) 41(0.6,2.9) 42(0.2,2.9) 43(-0.2,2.9) 44(-0.6,2.9) 45(-1,2.9) 46(-1.4,2.9) 47(-1.8,2.9) 48(-2.2,2.9)
  rect 4.2x4.2 smd paste-5 mask+0: 49(0,0)
  silkscreen extent -3.27,-3.2 3.2,3.2
COM_XCV_FIN1027AMCOM [mm] "8-SOIC"
  rrect30% 1.75x0.65 smd paste-0.025 mask+0: 1(-2.8,1.905) 2(-2.8,0.635) 3(-2.8,-0.635) 4(-2.8,-1.905) 5(2.8,-1.905) 6(2.8,-0.635) 7(2.8,0.635) 8(2.8,1.905)
  silkscreen extent -2.85,-2.6 1.6,2.88
COM_XCV_FIN1028MX [mm] "8-SOIC"
  rrect30% 1.75x0.65 smd paste-0.025 mask+0: 1(-2.8,1.905) 2(-2.8,0.635) 3(-2.8,-0.635) 4(-2.8,-1.905) 5(2.8,-1.905) 6(2.8,-0.635) 7(2.8,0.635) 8(2.8,1.905)
  silkscreen extent -2.85,-2.6 1.6,2.88
CON_HDR_10129381-906002BLF [mm] "2x3 100mils header"
  rect 1.6x1.6 hole 1.016 mask+0: 1(-1.27,2.54)
  round 1.6 hole 1.016 mask+0: 2(1.27,2.54) 3(-1.27,0) 4(1.27,0) 5(-1.27,-2.54) 6(1.27,-2.54)
  silkscreen extent -2.69,-3.94 2.69,4.45
CON_SMA_CONSMA020.062-G [mm] "EDGE SMA femal connector"
  rect 1.5x5.6 smd paste-25 mask+0: 1(0,0)
  rect 1.6x4.9 smd paste-25 mask+0: 2(-4.26,-0.35) 3(4.26,-0.35)
  rect 1.6x4.9 smd far side paste-25 mask+0: 4(-4.26,-0.35) 5(4.26,-0.35)
  silkscreen extent -6,-2.8 6,3.2
CON_USB_3.2_TypeC_12401598E4#2A [mm]
  oval 0.8x1.4 hole 0.5 slot 1.1 at 90 deg paste+0 mask+0: 1(-4.13,-1.25) 2(-4.49,-7.2) 3(4.49,-7.2) 4(4.13,-1.25)
  rect 0.3x0.7 smd paste-0.025 mask+0: A1(-2.75,0.66) A2(-2.25,0.66) A3(-1.75,0.66) A4(-1.25,0.66) A5(-0.75,0.66) A6(-0.25,0.66) A7(0.25,0.66) A8(0.75,0.66) A9(1.25,0.66) A10(1.75,0.66) A11(2.25,0.66) A12(2.75,0.66) B1(2.5,-1.04) B2(2,-1.04) B3(1.5,-1.04) B4(1,-1.04) B5(0.5,-1.04) B6(0,-1.04) B7(-0.5,-1.04) B8(-1,-1.04) B9(-1.5,-1.04) B10(-2,-1.04) B11(-2.5,-1.04) B12(-3,-1.04)
  round 0.65 hole 0.65 unplated mask+0: ""(-3.6,0)
  oval 0.95x0.65 hole 0.65 slot 0.95 at 0 deg paste+0 mask+0: ""(3.6,0)
  silkscreen extent -4.6,-6 4.6,0.91
FER_0402 [mil] "Ferrite - 0402"
  rrect60% 20x20 smd paste+0 mask+0: 1(-17.5,0) 2(17.5,0)
  silkscreen extent -33,-17 33,17
FID_CIRCLE_1MM [mm]
  round 1 smd paste-1 mask+0: 1(0,0)
  round 1 smd far side paste-1 mask+0: 2(0,0)
  Top keep-out circle w1: c0,0 r1
  Bottom keep-out circle w1: c0,0 r1
  silkscreen extent -1.65,-1.65 1.65,1.65
LED_SML-D12P8WT86 [mm] "0603"
  rect 0.8x0.8 smd paste-0.025 mask+0: A(0.825,0) K(-0.825,0)
  silkscreen extent -1.45,-0.48 0.13,0.48
LOG_BUF_74LVC126APW,118 [mm]
  rrect20% 1.35x0.35 smd paste-0.025 mask+0: 1(-2.925,1.95) 2(-2.925,1.3) 3(-2.925,0.65) 4(-2.925,0) 5(-2.925,-0.65) 6(-2.925,-1.3) 7(-2.925,-1.95) 8(2.925,-1.95) 9(2.925,-1.3) 10(2.925,-0.65) 11(2.925,0) 12(2.925,0.65) 13(2.925,1.3) 14(2.925,1.95)
  silkscreen extent -3.05,-2.55 1.85,2.77
"LOG_BUF_ 74AHC1G07GV,125" [mm]
  rrect20% 1x0.55 smd paste-0.025 mask+0: 1(-1.3,0.95) 2(-1.3,0) 3(-1.3,-0.95) 4(1.3,-0.95) 5(1.3,0.95)
  silkscreen extent -1.47,-1.62 0.45,1.88
LOG_FLIPFLOP_74LVC1G74DC,125 [mm] "VSSOP8"
  rrect20% 0.75x0.3 smd paste-0.05 mask+0: 1(-1.6,0.75) 2(-1.6,0.25) 3(-1.6,-0.25) 4(-1.6,-0.75) 5(1.6,-0.75) 6(1.6,-0.25) 7(1.6,0.25) 8(1.6,0.75)
  silkscreen extent -1.67,-1.12 0.97,1.34
LOG_FLIPFLOP_SN74LVC1G175DCKT [mm] "SOT23, 6-Leads, Body 2.00x2.10mm, Pitch 0.65mm, IPC Medium Density"
  rrect10% 0.9x0.4 smd paste-0.025 mask+0: 1(-1.1,0.65) 2(-1.1,0) 3(-1.1,-0.65) 4(1.1,-0.65) 5(1.1,0) 6(1.1,0.65)
  silkscreen extent -1.16,-1.19 0.3,1.26
LOG_MUX_TMUX154EDGSR [mm] "TSSOP, 10-Leads, Body 3.00x3.00mm, Pitch 0.50mm, IPC Medium Density"
  rrect30% 1.45x0.3 smd paste-0.025 mask+0: 1(-2.2,1) 2(-2.2,0.5) 3(-2.2,0) 4(-2.2,-0.5) 5(-2.2,-1) 6(2.2,-1) 7(2.2,-0.5) 8(2.2,0) 9(2.2,0.5) 10(2.2,1)
  silkscreen extent -2.32,-1.6 1.15,1.82
LOG_XOR_74LVC1G386GW,125 [mm] "6-TTSOP"
  rrect20% 0.8x0.4 smd paste-0.025 mask+0: 1(-0.95,0.65) 2(-0.95,0) 3(-0.95,-0.65) 4(0.95,-0.65) 5(0.95,0) 6(0.95,0.65)
  silkscreen extent -1.41,-1.1 0.25,1.66
MTH_M3#1 [mm] "Mounting Hole Metric M3"
  round 6.2 hole 3.3 paste-7.62 mask+0: 1(0,0)
MTH_M3#2 [mm] "Mounting Hole Metric M3"
  round 6.2 hole 3.3 paste-7.62 mask+0: 1(0.006,0)
PNL_MOUSEBITES_100MIL_5-HOLES [mil] "Mousebites - 100 mils router - 5 holes (30mils)"
  round 0 hole 30 unplated mask+0: 0(-100,55) 0(-50,55) 0(0,55) 0(50,55) 0(100,55)
POW_TPS3808G33DRVR [mm] "6-WSON"
  rrect20% 0.45x0.3 smd paste+0 mask+0: 1(-0.975,0.65) 2(-0.975,0) 3(-0.975,-0.65) 4(0.975,-0.65) 5(0.975,0) 6(0.975,0.65)
  rrect10% 1x1.6 smd paste-1.6 mask+0: 7(0,0)
  silkscreen extent -1.46,-1.15 1.14,1.15
REG_SWR_MYRGP180100W21RA [mm]
  rect 0.35x0.375 smd paste-1 mask+0: 1(0.55,0.938) 2(0,0.937) 3(-0.55,0.937) 4(-0.55,-0.937) 5(0,-0.937) 6(0.55,-0.937) 9(0,0)
  rect 0.4x2.1 smd paste-1 mask+0: 7(1.25,0) 8(-1.25,0)
  rect 0.325x0.4 smd paste-1 mask+0: 9(0,0)
  silkscreen extent -1.62,-1.22 1.62,1.37
REG_SWR_XCL214B333DR [mm]
  rect 0.4x0.325 smd paste-0.05 mask+0: 1(1.2,-1.363) 3(1.2,-0.438) 4(-1.2,-0.438) 6(-1.2,-1.363)
  rect 0.4x0.2 smd paste-0.05 mask+0: 2(1.2,-0.9) 5(-1.2,-0.9)
  rect 0.4x0.325 smd paste-1 mask+0: 7(0,-0.865) 8(0.775,0.775) 9(-0.775,0.775)
  silkscreen extent -1.38,-1.73 1.67,1.71
RES_0402 [mil] "Resistor - 0402"
  rrect60% 20x20 smd paste+0 mask+0: 1(-17.5,0) 2(17.5,0)
  silkscreen extent -33,-17 33,17
RES_0603 [mil] "Resistor - 0603"
  rrect35% 35x34 smd paste+0 mask+0: 1(-29.5,0) 2(29.5,0)
  silkscreen extent -53,-24 53,24
RF_SH_BASE_36103205S [mm] "RF shield 20x20x3 base"
  rect 1x3.3 smd paste-0.1 mask+0: 1(-10.25,-9.1) 1(-10.25,9.1) 1(10.25,-9.1) 1(10.25,9.1)
  rect 1x2.9 smd paste-0.1 mask+0: 1(-10.25,3.75) 1(-10.25,-3.75) 1(10.25,-3.75) 1(10.25,3.75)
  rect 3.3x1 smd paste-0.1 mask+0: 1(-9.1,-10.25) 1(-9.1,10.25) 1(9.1,-10.25) 1(9.1,10.25)
  rect 2.9x1 smd paste-0.1 mask+0: 1(-3.75,10.25) 1(-3.75,-10.25) 1(3.75,-10.25) 1(3.75,10.25)
SWI_TACT_435171014816 [mm]
  rrect20% 0.65x0.6 smd paste+0 mask+0: 1(-1.575,0.85) 2(1.575,0.85) 3(-1.575,-0.85) 4(1.575,-0.85)
  rrect20% 0.35x0.7 smd paste+0 mask+0: 5(-1.725,0) 6(1.725,0)
  silkscreen extent -1.73,-1.55 1.73,1.55
TIM_BUF_PI6C49CB01Q3WEX [mm] "SOIC-8"
  rrect20% 1.6x0.6 smd paste-0.025 mask+0: 1(-2.7,1.905) 2(-2.7,0.635) 3(-2.7,-0.635) 4(-2.7,-1.905) 5(2.7,-1.905) 6(2.7,-0.635) 7(2.7,0.635) 8(2.7,1.905)
  silkscreen extent -2.85,-2.6 1.6,2.88
TIM_MUX_DS25CP102TSQ/NOPB [mm] "WQFN-16"
  rrect20% 0.6x0.25 smd paste+0 mask+0: 1(-1.9,0.75) 2(-1.9,0.25) 3(-1.9,-0.25) 4(-1.9,-0.75) 9(1.9,-0.75) 10(1.9,-0.25) 11(1.9,0.25) 12(1.9,0.75)
  rrect20% 0.25x0.6 smd paste+0 mask+0: 5(-0.75,-1.9) 6(-0.25,-1.9) 7(0.25,-1.9) 8(0.75,-1.9) 13(0.75,1.9) 14(0.25,1.9) 15(-0.25,1.9) 16(-0.75,1.9)
  rect 2.6x2.6 smd paste-1.3 mask+0: 17(0,0)
  silkscreen extent -2.98,-2.2 2.2,2.2
TPO_5011 [mm]
  round 2.4 hole 1.6: 1(0,0)
  silkscreen extent -1.67,-1.68 1.68,1.68
TPO_SMD_ROUND_1MM [mm] "Test Point - SMD ROUND PAD ONLY"
  round 1 smd paste-2 mask+0: 1(0,0)
  silkscreen extent -0.7,-0.7 0.7,0.7
TPO_TH_ROUND_0.7mm_DOUBLE [mm] "Double via TP"
  round 1.1 hole 0.7 mask+0: 1(-0.9,0) 2(0.9,0)
  silkscreen extent -1.7,-0.8 1.7,0.8
TRX_NMOS_BSS138LT1G [mm] "SOT23, 3-Leads, Body 2,92x2,37mm, Pitch 0,85mm, IPC Medium Density"
  rect 0.9x0.8 smd paste-0.025 mask+0: 1(-1,0.95) 2(-1,-0.95) 3(1,0)
  silkscreen extent -0.3,-1.6 0.8,1.6
TVS_DATA_DT1140-04LP-7 [mm] "SON, 10-Leads, Body 2,51x1,01mm, Pitch 0,50mm, IPC Medium Density"
  rrect30% 0.565x0.2 smd paste+0 mask+0: 1(-0.417,1) 2(-0.417,0.5) 4(-0.418,-0.5) 5(-0.418,-1) 6(0.417,-1) 7(0.417,-0.5) 9(0.417,0.5) 10(0.417,1)
  rrect16% 0.565x0.4 smd paste-4 mask+0: 3(-0.418,0) 8(0.417,0)
  silkscreen extent -0.95,-1.4 0.54,1.45
TVS_PWR_SMBJ5.0CA [mm] "Molded Diode, 2-Leads, Body 4,40x3,62mm, IPC Medium Density"
  rrect50% 2.16x2.26 smd paste-0.025 mask+0: 1(-2.45,0) 2(2.45,0)
  silkscreen extent -2.5,-2.1 2.5,2.1
XFR_HHM1595A1 [mm] "HHM1595A1"
  rrect20% 0.3x0.8 smd paste-0.025 mask+0: 1(-0.65,-0.65) 2(0,-0.65) 3(0.65,-0.65) 4(0.65,0.65) 5(0,0.65) 6(-0.65,0.65)
  silkscreen extent -1.42,-0.75 1,0.75